# KiCad board ovc5.kicad_pcb
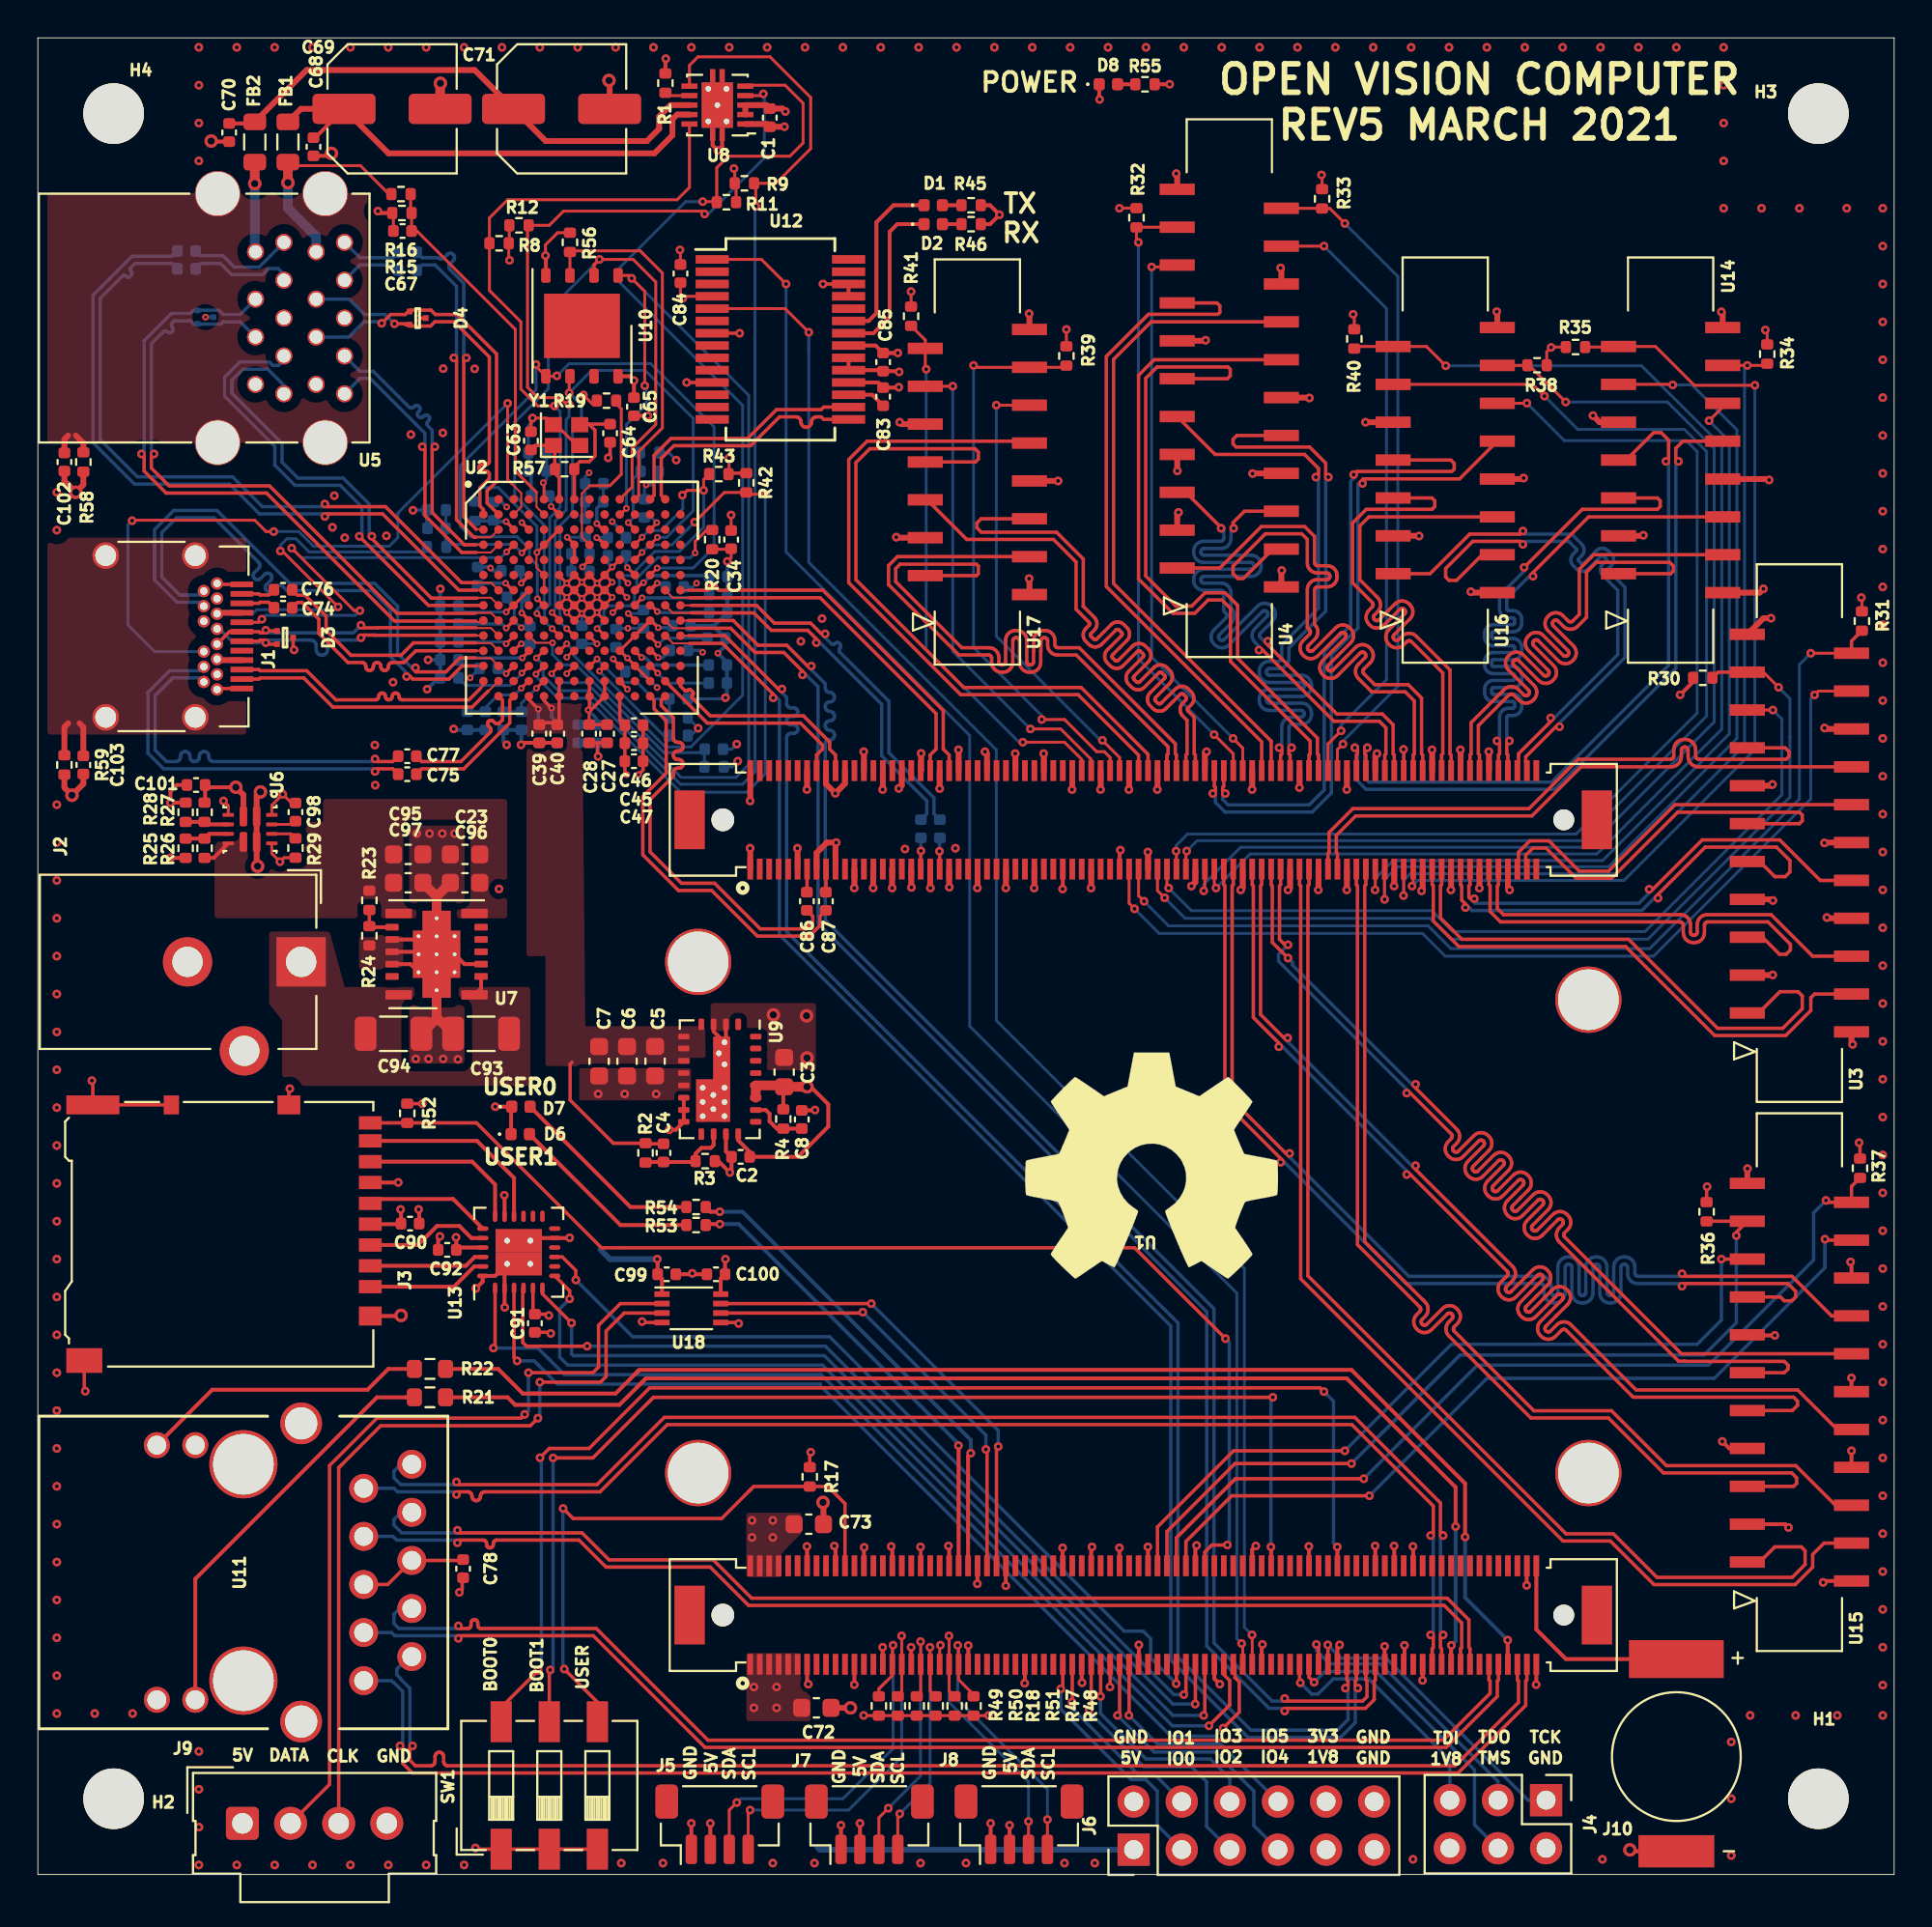
[diagram p0: board, top side]
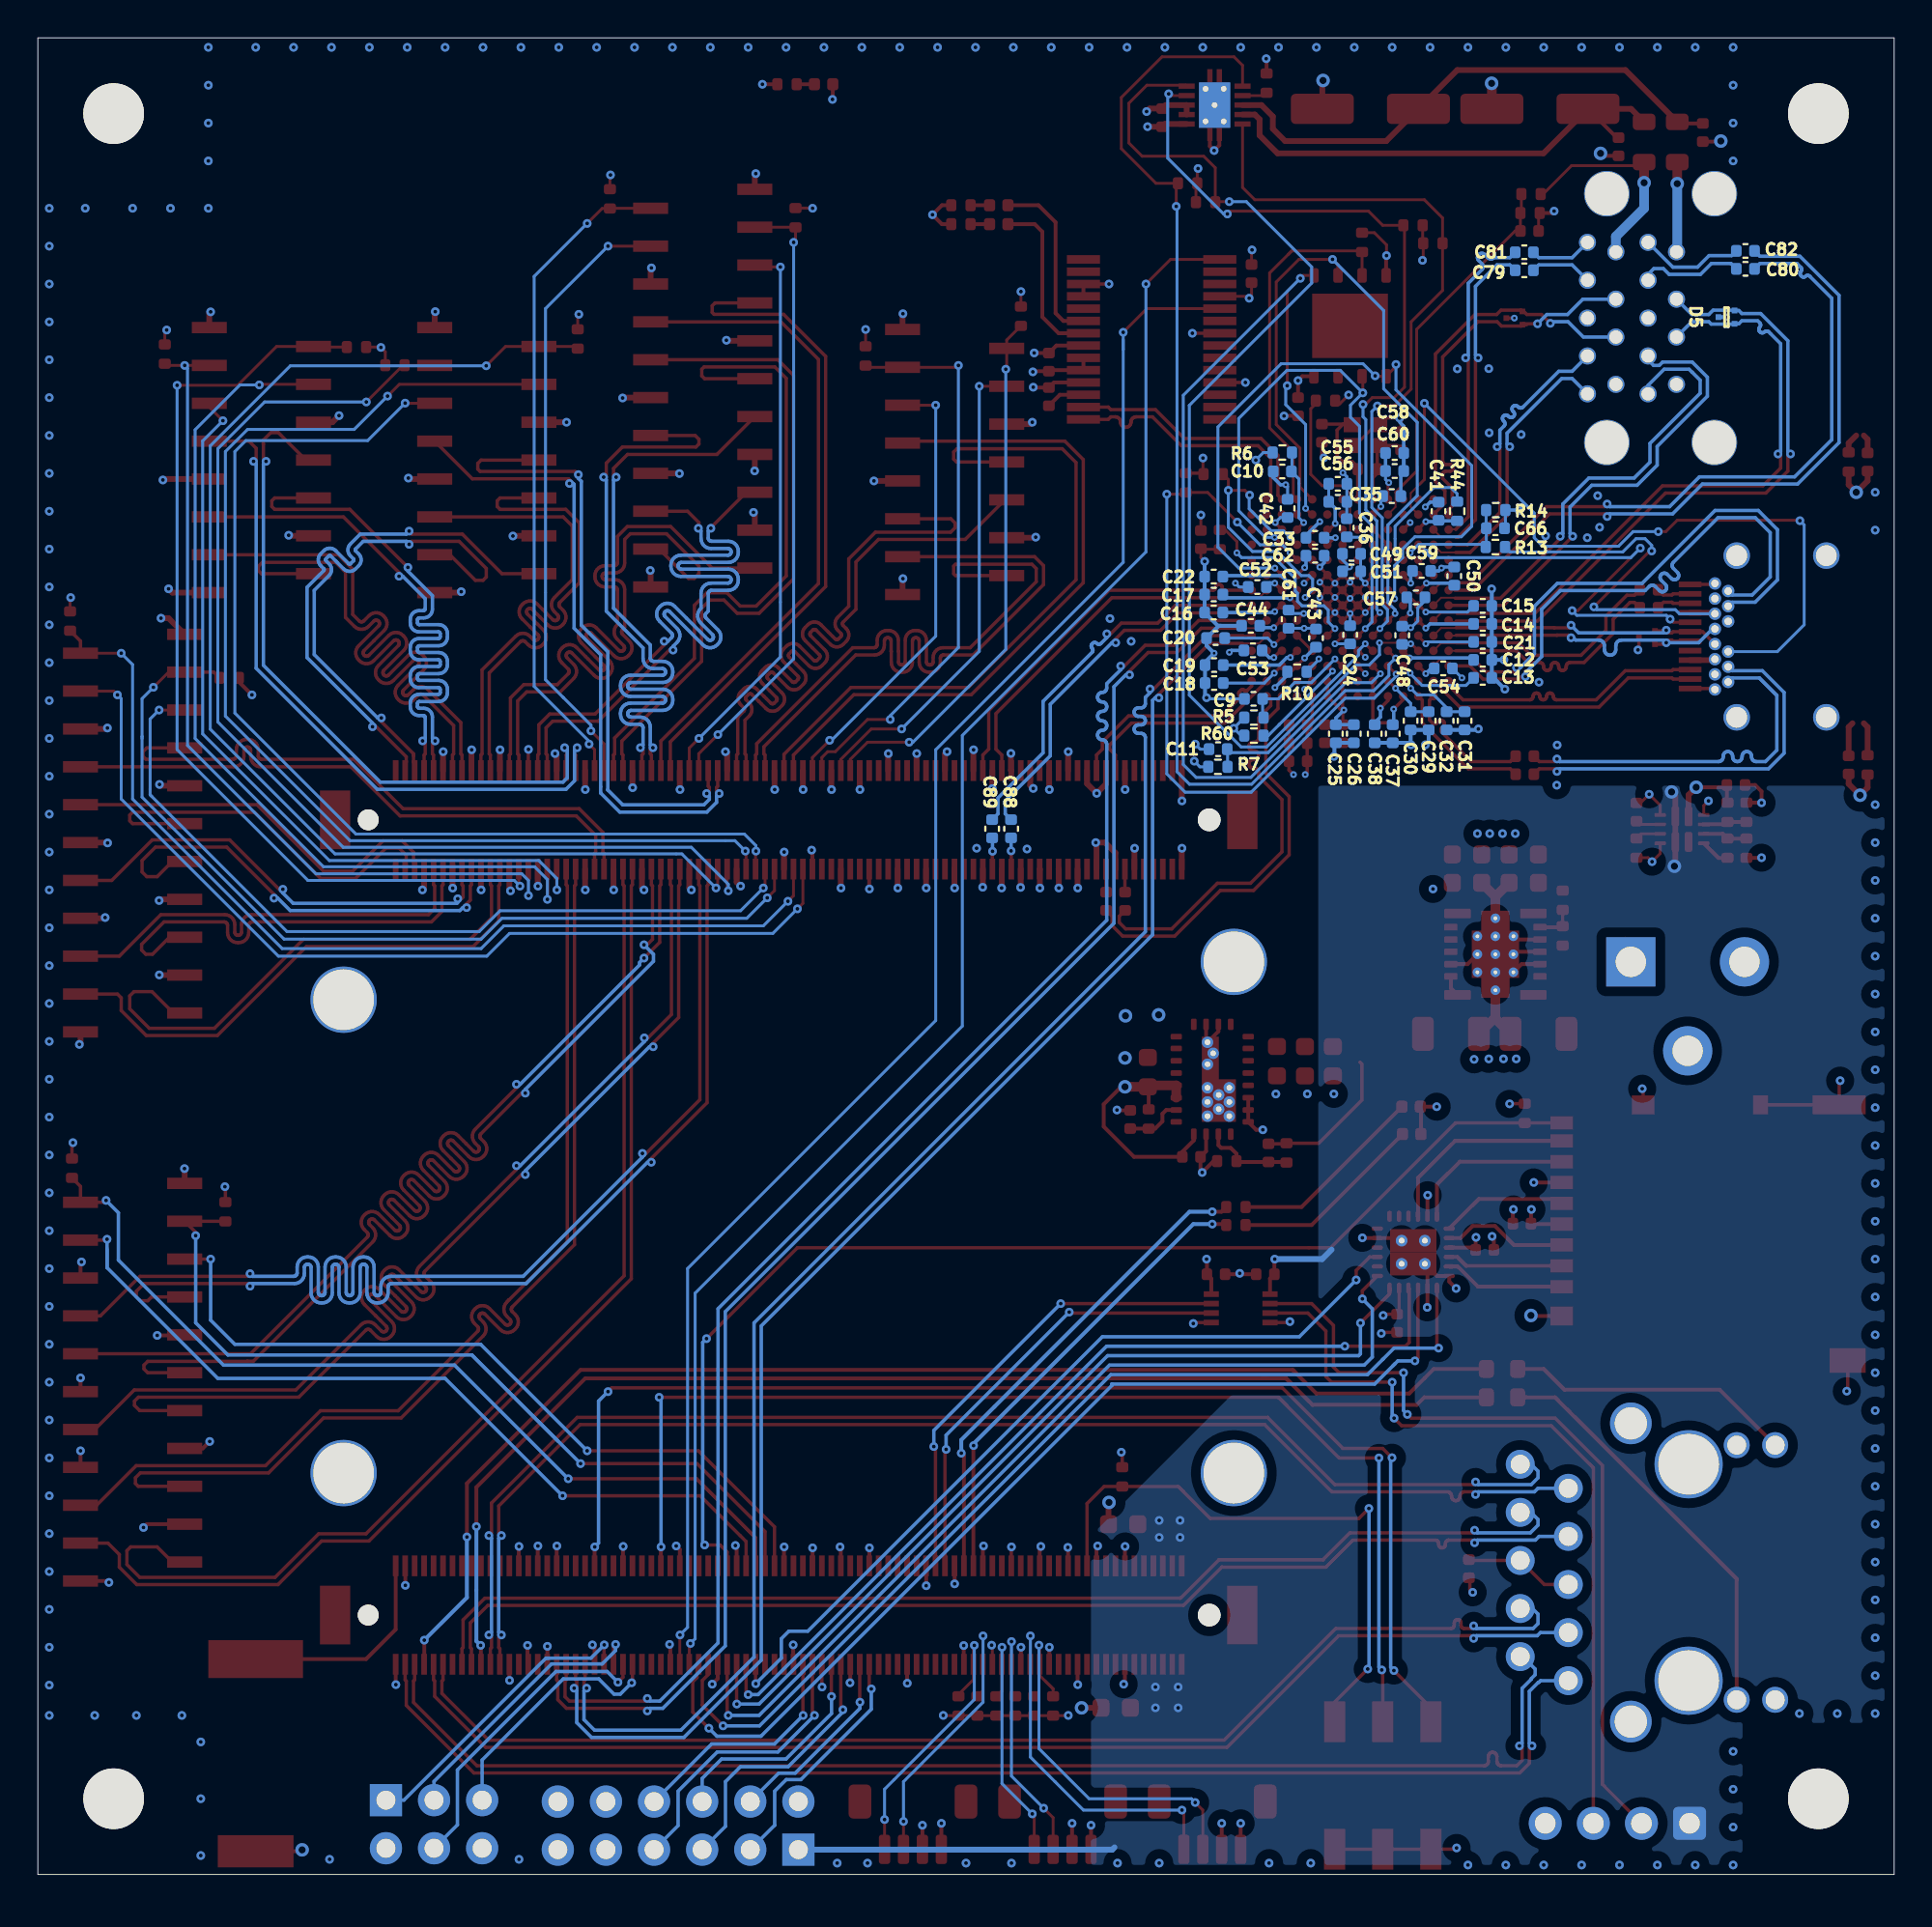
[diagram p1: board, bottom side, seen from below]

Outline 98 x 97 mm; copper layers: Top, In1.Cu, In2.Cu, In3.Cu, In4.Cu, Bottom. Coordinates in mm from the lower left corner of the outline.
Outline path: 0,97 0,0 98,0 98,97 0,97
Stack: Top 0.035mm / dielectric 1.51mm FR4 er 4.5 / In1.Cu 0.035mm / dielectric 1.51mm FR4 er 4.5 / In2.Cu 0.035mm / dielectric 1.51mm FR4 er 4.5 / In3.Cu 0.035mm / dielectric 1.51mm FR4 er 4.5 / In4.Cu 0.035mm / dielectric 1.51mm FR4 er 4.5 / Bottom 0.035mm

## Placement (name value [footprint] x y rotation side)
C1  100n  [C_0402_1005Metric]  38.64 92.78 270 top
C2  1u  [C_0402_1005Metric]  37.1 37.9 180 top
C3  22u  [C_0603_1608Metric]  39.4 42.38 90 top
C4  10p  [C_0402_1005Metric]  33.03 38.11 270 top
C5  22u  [C_0603_1608Metric]  32.58 42.95 270 top
C6  22u  [C_0603_1608Metric]  31.11 42.95 270 top
C7  22u  [C_0603_1608Metric]  29.63 42.95 270 top
C8  100n  [C_0402_1005Metric]  40.33 39.88 90 top
C9  1u  [C_0402_1005Metric]  33.82 62.09 0 bottom
C10  100n  [C_0402_1005Metric]  32.3 74.1 0 bottom
C11  100n  [C_0402_1005Metric]  35.69 59.43 0 bottom
C12  100n  [C_0402_1005Metric]  21.72 64.15 180 bottom
C13  100n  [C_0402_1005Metric]  21.72 63.2 180 bottom
C14  100n  [C_0402_1005Metric]  21.72 66.05 180 bottom
C15  100n  [C_0402_1005Metric]  21.72 67 180 bottom
C16  100n  [C_0402_1005Metric]  35.92 66.65 0 bottom
C17  100n  [C_0402_1005Metric]  35.92 67.6 0 bottom
C18  100n  [C_0402_1005Metric]  35.9 62.92 0 bottom
C19  100n  [C_0402_1005Metric]  35.9 63.88 0 bottom
C20  100n  [C_0402_1005Metric]  35.82 65.3 0 bottom
C21  100n  [C_0402_1005Metric]  21.72 65.1 180 bottom
C22  100n  [C_0402_1005Metric]  35.92 68.55 0 bottom
C23  22u  [C_0603_1608Metric]  22.55 53.88 180 top
C24  100n  [C_0402_1005Metric]  28.72 65.47 90 bottom
C25  10u  [C_0402_1005Metric]  29.48 60.25 270 bottom
C26  10n  [C_0402_1005Metric]  28.52 60.25 270 bottom
C27  10n  [C_0402_1005Metric]  30.05 60.25 270 top
C28  10n  [C_0402_1005Metric]  29.1 60.25 270 top
C29  4u7  [C_0402_1005Metric]  24.58 60.93 270 bottom
C30  100n  [C_0402_1005Metric]  25.52 60.93 270 bottom
C31  4u7  [C_0402_1005Metric]  22.67 60.93 270 bottom
C32  100n  [C_0402_1005Metric]  23.62 60.93 270 bottom
C33  1u  [C_0402_1005Metric]  30.57 70.6 0 bottom
C34  10u  [C_0402_1005Metric]  36.6 70.5 270 top
C35  1u  [C_0402_1005Metric]  26.52 72.8 180 bottom
C36  100n  [C_0402_1005Metric]  28.9 71.12 90 bottom
C37  100n  [C_0402_1005Metric]  26.47 60.25 270 bottom
C38  100n  [C_0402_1005Metric]  27.42 60.25 270 bottom
C39  100n  [C_0402_1005Metric]  26.47 60.25 270 top
C40  100n  [C_0402_1005Metric]  27.42 60.25 270 top
C41  100n  [C_0402_1005Metric]  24.05 72 90 bottom
C42  100n  [C_0402_1005Metric]  32.02 72.15 90 bottom
C43  100n  [C_0402_1005Metric]  30.52 65.3 90 bottom
C44  100n  [C_0402_1005Metric]  33.97 65.95 0 bottom
C45  100n  [C_0402_1005Metric]  31.47 59.75 0 top
C46  10n  [C_0402_1005Metric]  31.47 60.7 0 top
C47  10u  [C_0402_1005Metric]  31.47 58.8 0 top
C48  100n  [C_0402_1005Metric]  25.97 65.45 90 bottom
C49  100n  [C_0402_1005Metric]  28.65 69.75 180 bottom
C50  100n  [C_0402_1005Metric]  23.22 68.57 90 bottom
C51  10n  [C_0402_1005Metric]  28.64 68.82 180 bottom
C52  100n  [C_0402_1005Metric]  33.62 68 0 bottom
C53  100n  [C_0402_1005Metric]  33.85 64.65 0 bottom
C54  100n  [C_0402_1005Metric]  23.8 63.7 180 bottom
C55  1u  [C_0402_1005Metric]  29.37 73.45 180 bottom
C56  100n  [C_0402_1005Metric]  29.37 72.5 180 bottom
C57  100n  [C_0402_1005Metric]  25.25 67.45 180 bottom
C58  1u  [C_0402_1005Metric]  26.37 75.07 180 bottom
C59  100n  [C_0402_1005Metric]  24.95 68.85 180 bottom
C60  100n  [C_0402_1005Metric]  26.37 74.12 180 bottom
C61  100n  [C_0402_1005Metric]  31.97 66.3 270 bottom
C62  4u7  [C_0402_1005Metric]  30.57 69.65 180 bottom
C63  10p  [C_0402_1005Metric]  26.03 75.72 270 top
C64  10p  [C_0402_1005Metric]  30.21 76.12 270 top
C65  100n  [C_0402_1005Metric]  31.47 77.52 270 top
C66  100n  [C_0402_1005Metric]  21.05 71.1 180 bottom
C67  100n  [C_0402_1005Metric]  19.25 86.8 180 top
C68  100n  [C_0402_1005Metric]  14.55 91.25 270 top
C69  150u  [C_Elec_6.3x7.7]  18.7 93.25 0 top
C70  100n  [C_0402_1005Metric]  10.1 92 270 top
C71  150u  [C_Elec_6.3x7.7]  27.65 93.25 0 top
C72  22u  [C_0603_1608Metric]  41.1 8.8 0 top
C73  22u  [C_0603_1608Metric]  40.7 18.5 0 top
C74  100n  [C_0402_1005Metric]  12.95 66.9 0 top
C75  100n  [C_0402_1005Metric]  19.5 58.11 0 top
C76  100n  [C_0402_1005Metric]  12.95 67.85 0 top
C77  100n  [C_0402_1005Metric]  19.5 59.06 0 top
C78  100n  [C_0402_1005Metric]  22.45 16.15 270 top
C79  100n  [C_0402_1005Metric]  19.52 84.72 0 bottom
C80  100n  [C_0402_1005Metric]  7.85 84.8 180 bottom
C81  100n  [C_0402_1005Metric]  19.52 85.67 0 bottom
C82  100n  [C_0402_1005Metric]  7.85 85.75 180 bottom
C83  100n  [C_0402_1005Metric]  44.62 78.05 270 top
C84  100n  [C_0402_1005Metric]  33.92 84.55 270 top
C85  100n  [C_0402_1005Metric]  44.62 79.88 90 top
C86  100n  [C_0402_1005Metric]  40.6 51.4 90 top
C87  100n  [C_0402_1005Metric]  41.6 51.4 90 top
C88  100n  [C_0402_1005Metric]  46.62 55.23 270 bottom
C89  100n  [C_0402_1005Metric]  47.62 55.23 270 bottom
C90  1u  [C_0402_1005Metric]  19.65 34.38 180 top
C91  100n  [C_0402_1005Metric]  26.24 29.11 90 top
C92  100n  [C_0402_1005Metric]  21.61 32.99 180 top
C93  10u  [C_1206_3216Metric]  23.4 44.4 180 top
C94  10u  [C_1206_3216Metric]  18.77 44.4 0 top
C95  22u  [C_0603_1608Metric]  19.55 53.88 0 top
C96  22u  [C_0603_1608Metric]  22.55 52.38 180 top
C97  22u  [C_0603_1608Metric]  19.55 52.38 0 top
C98  100n  [C_0402_1005Metric]  13.6 56.11 90 top
C99  100n  [C_0402_1005Metric]  33.2 31.7 180 top
C100  100n  [C_0402_1005Metric]  35.8 31.7 180 top
C101  100n  [C_0402_1005Metric]  8.35 57.54 180 top
C102  2n2  [C_0402_1005Metric]  1.4 74.6 90 top
C103  2n2  [C_0402_1005Metric]  2.4 58.6 90 top
D1  LED_Small  [LED_0402_1005Metric]  47.27 88.16 0 top
D2  LED_Small  [LED_0402_1005Metric]  47.27 87.16 0 top
D3  D_TVS_Dual_AAC  [TPD2EUSB30x]  13.05 65.33 270 top
D4  D_TVS_Dual_AAC  [TPD2EUSB30x]  20.05 82.2 270 top
D5  D_TVS_Dual_AAC  [TPD2EUSB30x]  8.85 82.25 90 bottom
D6  LED_Small  [LED_0402_1005Metric]  25.47 39.1 0 top
D7  LED_Small  [LED_0402_1005Metric]  25.5 40.55 0 top
D8  LED_Small  [LED_0402_1005Metric]  56.52 94.55 0 top
FB1  MH2029-100Y  [L_0805_2012Metric]  13.2 91.5 270 top
FB2  MH2029-100Y  [L_0805_2012Metric]  11.45 91.5 270 top
H1  MountingHole  [MountingHole_3.2mm_M3]  94 4 0 top
H2  MountingHole  [MountingHole_3.2mm_M3]  4 4 0 top
H3  MountingHole  [MountingHole_3.2mm_M3]  94 93 0 top
H4  MountingHole  [MountingHole_3.2mm_M3]  4 93 0 top
J1  USB_C_Receptacle  [USB_C_Receptacle_Wurth_632723300011]  5.75 65.38 270 top
J2  AUX_PWR  [BarrelJack_CUI_PJ-102AH_Horizontal]  13.9 48.2 270 top
J3  Micro_SD_Card_Det_Hirose_DM3AT  [microSD_HC_Hirose_DM3AT-SF-PEJM5]  9.83 33.82 270 top
J4  JTAG  [PinHeader_2x03_P2.54mm_Vertical]  79.62 3.92 270 top
J5  Conn_01x04  [JST_SH_BM04B-SRSS-TB_1x04-1MP_P1.00mm_Vertical]  36 2.65 0 top
J6  Conn_02x06_Odd_Even  [PinHeader_2x06_P2.54mm_Vertical]  57.85 1.31 90 top
J7  Conn_01x04  [JST_SH_BM04B-SRSS-TB_1x04-1MP_P1.00mm_Vertical]  43.9 2.65 0 top
J8  Conn_01x04  [JST_SH_BM04B-SRSS-TB_1x04-1MP_P1.00mm_Vertical]  51.8 2.65 0 top
J9  Conn_01x04  [Molex_SL_171971-0004_1x04_P2.54mm_Vertical]  10.8 2.7 0 top
J10  Conn_01x02  [ELNA_DSK-3R3H224U-HL]  86.5 6.22 0 top
LOGO1  Logo_Open_Hardware_Large  [OSHW-Symbol_13.4x12mm_SilkScreen]  58.78 37.41 0 top
R1  47k  [R_0402_1005Metric]  33.13 94.61 90 top
R2  348k  [R_0402_1005Metric]  32.08 38.11 270 top
R3  348k  [R_0402_1005Metric]  35.23 37.67 0 top
R4  47k  [R_0402_1005Metric]  39.36 39.9 270 top
R5  20k  [R_0402_1005Metric]  33.8 61.1 180 bottom
R6  10k  [R_0402_1005Metric]  32.3 75.1 180 bottom
R7  10k  [R_0402_1005Metric]  35.7 58.5 180 bottom
R8  100k  [R_0402_1005Metric]  24.35 86.15 180 top
R9  100k  [R_0402_1005Metric]  37.3 89.32 0 top
R10  20k  [R_0402_1005Metric]  31.52 63.52 0 bottom
R11  100k  [R_0402_1005Metric]  36.35 88.32 180 top
R12  100k  [R_0402_1005Metric]  25.4 87.1 0 top
R13  10k  [R_0402_1005Metric]  21.05 70.11 180 bottom
R14  1k  [R_0402_1005Metric]  21.03 72.06 0 bottom
R15  10k  [R_0402_1005Metric]  19.17 88.75 180 top
R16  1k  [R_0402_1005Metric]  19.22 87.75 0 top
R17  10k  [R_0402_1005Metric]  40.75 21 270 top
R18  2k4  [R_0402_1005Metric]  45.4 8.9 270 top
R19  5k1  [R_0402_1005Metric]  30.02 77.84 180 top
R20  5k1  [R_0402_1005Metric]  35.6 70.5 270 top
R21  110R  [R_0603_1608Metric]  20.7 25.2 0 top
R22  110R  [R_0603_1608Metric]  20.7 26.7 0 top
R23  10k  [R_0402_1005Metric]  17.5 51.45 270 top
R24  2k4  [R_0402_1005Metric]  17.5 49.58 270 top
R25  47k  [R_0402_1005Metric]  8.8 54.2 90 top
R26  10k  [R_0402_1005Metric]  7.8 54.2 270 top
R27  47k  [R_0402_1005Metric]  8.8 56.1 270 top
R28  10k  [R_0402_1005Metric]  7.8 56.1 90 top
R29  20k  [R_0402_1005Metric]  13.6 54.21 270 top
R30  2k4  [R_0402_1005Metric]  87.9 63.2 0 top
R31  2k4  [R_0402_1005Metric]  96.3 66.2 270 top
R32  2k4  [R_0402_1005Metric]  58 87.5 270 top
R33  2k4  [R_0402_1005Metric]  67.8 88.5 270 top
R34  2k4  [R_0402_1005Metric]  91.3 80.3 270 top
R35  2k4  [R_0402_1005Metric]  81.18 80.67 0 top
R36  2k4  [R_0402_1005Metric]  88.1 35 270 top
R37  2k4  [R_0402_1005Metric]  96.2 37.3 270 top
R38  2k4  [R_0402_1005Metric]  79.15 79.71 180 top
R39  2k4  [R_0402_1005Metric]  54.3 80.2 270 top
R40  2k4  [R_0402_1005Metric]  69.5 81.1 270 top
R41  2k4  [R_0402_1005Metric]  46.1 82.3 270 top
R42  2k4  [R_0402_1005Metric]  37.4 73.5 270 top
R43  2k4  [R_0402_1005Metric]  35.95 73.96 180 top
R44  10k  [R_0402_1005Metric]  23.07 72 270 bottom
R45  220R  [R_0402_1005Metric]  49.27 88.16 180 top
R46  220R  [R_0402_1005Metric]  49.27 87.16 180 top
R47  2k4  [R_0402_1005Metric]  47.4 8.9 270 top
R48  2k4  [R_0402_1005Metric]  49.4 8.9 270 top
R49  2k4  [R_0402_1005Metric]  44.4 8.9 90 top
R50  2k4  [R_0402_1005Metric]  46.4 8.9 90 top
R51  2k4  [R_0402_1005Metric]  48.4 8.9 90 top
R52  10k  [R_0402_1005Metric]  19.5 40.2 270 top
R53  220R  [R_0402_1005Metric]  34.75 34.3 180 top
R54  220R  [R_0402_1005Metric]  34.75 35.25 180 top
R55  220R  [R_0402_1005Metric]  58.45 94.55 180 top
R56  10k  [R_0402_1005Metric]  28.09 86.2 90 top
R57  1M  [R_0402_1005Metric]  27.81 74.22 180 top
R58  100k  [R_0402_1005Metric]  2.4 74.6 270 top
R59  100k  [R_0402_1005Metric]  1.4 58.6 270 top
R60  10k  [R_0402_1005Metric]  33.8 60.15 180 bottom
SW1  SW_DIP_x03  [SW_DIP_SPSTx03_Slide_6.7x9.18mm_W6.73mm_P2.54mm_LowProfile_JPin]  27 4.7 90 top
U1  Mercury_XU5_4CG-4EV-5EV  [Mercury_XU5]  58.36 34.7 180 top
U2  CYUSB43x7  [BGA-192_14x14_12.0x12.0mm]  28.72 67.43 0 top
U3  PICAM_Expandable  [AMPHENOL_SFW22S]  93 55 90 top
U4  PICAM_Expandable  [AMPHENOL_SFW22S]  62.9 78.5 90 top
U5  -  [USB3_A_Dual_Stacked]  10.2 82.2 0 top
U6  TPS2121  [Texas_VQFN-HR-12_2x2.5_Pitch0.5mm]  11.2 55.21 270 top
U7  TPSM53604RDA  [Texas_B3QFN-14-1EP_5x5.5mm_P0.65mm_ThermalVia]  21.05 48.6 180 top
U8  TPS2561  [VSON-10-1EP_3x3mm_P0.5mm_EP1.65x2.4mm_ThermalVias]  35.88 93.45 180 top
U9  EN5339QI  [Converter_DCDC_Intel_QFN-24_4x6mm_P0.65mm_ThermalVias]  36 42 270 top
U10  S25FL064  [WSON-8-1EP_6x5mm_P1.27mm_EP3.4x4mm]  28.73 81.79 270 top
U11  -  [ARJ11C-MBSAS-A-BA-7MU2]  10.85 15.95 270 top
U12  FT232RL  [SSOP-28_5.3x10.2mm_P0.65mm]  39.2 81.08 0 top
U13  TXS02612  [TI_RTW0024B]  25.39 32.86 90 top
U14  PICAM  [AMPHENOL_SFW15S]  86.2 74.7 90 top
U15  PICAM_Expandable  [AMPHENOL_SFW22S]  93 26 90 top
U16  PICAM  [AMPHENOL_SFW15S]  74.3 74.7 90 top
U17  PICAM  [AMPHENOL_SFW15S]  49.6 74.6 90 top
U18  74LVC2T45DC  [VSSOP-8_2.3x2mm_P0.5mm]  34.5 29.9 0 top
Y1  25MHz  [Crystal_SMD_2016-4Pin_2.0x1.6mm]  27.91 76.02 0 top

## Library data of the parts
C1 C8 C10-C22 C24 C30 C32 C36-C45 C48-C50 C52-C54 C56 C57 C59-C61 C65-C68 C70 C74-C89 C91 C92 C98-C101 = -: D1N: Digikey; D1PN: 1276-1043-1-ND; MFN: Samsung; MPN: CL05A104KA5NNNC
C2 C9 C33 C35 C55 C58 C90 = -: D1N: Digikey; D1PN: 1276-1076-1-ND; MFN: Samsung; MPN: CL05A105KP5NNNC
C3 C5-C7 C23 C72 C73 C95-C97 = -: D1N: Digikey; D1PN: 1276-6504-1-ND; MFN: Samsung; MPN: CL10A226MPCNUBE
C4 C63 C64 = -: D1N: Digikey; D1PN: 587-1947-1-ND; MFN: Taiyo Yuden; MPN: UMK105CG100DV-F
C25 C34 C47 = -: D1N: Digikey; D1PN: 1276-6830-1-ND; MFN: Samsung; MPN: CL05A106MP8NUB8
C26-C28 C46 C51 = -: D1N: Digikey; D1PN: 1276-1051-1-ND; MFN: Samsung; MPN: CL05B103KO5NNNC
C29 C31 C62 = -: D1N: Digikey; D1PN: 587-3408-1-ND; MFN: Taiyo Yuden; MPN: LMK105BBJ475MVLF
C69 C71 = -: D1N: Digikey; D1PN: PCE4401CT-ND; MFN: TDK; MPN: EEE-FKC151XAP
C93 C94 = -: D1N: Digikey; D1PN: 1276-2876-1-ND; MFN: Samsung; MPN: CL31A106KBHNNNE
C102 C103 = -: D1N: Digikey; D1PN: 1276-1532-1-ND; MFN: Samsung; MPN: CL05B222JB5NNNC
D1 D8 = -: D1N: Digikey; D1PN: 475-3445-1-ND; MFN: OSRAM; MPN: LT VH9G-Q2OO-25-1
D2 D6 = -: D1N: Digikey; D1PN: 475-3112-1-ND; MFN: OSRAM; MPN: LB QH9G-N1OO-35-1
D3-D5 = -: D1N: Digikey; D1PN: 296-25509-1-ND; MFN: TI; MPN: TPD2EUSB30DRTR
D7 = -: D1N: Digikey; D1PN: 475-3429-1-ND; MFN: OSRAM; MPN: LR VH9F-P2R1-1-Z
FB1 FB2 = -: D1N: Digikey; D1PN: MH2029-100YCT-ND; MFN: Bourns
H1-H4 = -: D1N: DNP; D1PN: DNP; MFN: DNP; MPN: DNF
J1 = -: D1N: Digikey; D1PN: 732-9618-1-ND; MFN: Wurth; MPN: 632723300011
J2 = -: D1N: Digikey; D1PN: CP-102AH-ND; MFN: CUI Devices; MPN: PJ-102AH
J3 = -: D1N: RS-Online; D1PN: 828-1884; MFN: Hirose; MPN: DM3AT-SF-PEJM5
J4 = -: D1N: Digikey; D1PN: 1849-PR20203VBDN-ND; MFN: METZ Connect; MPN: PR20203VBDN
J5 J7 J8 = -: D1N: Digikey; D1PN: 455-1790-1-ND; MFN: JST; MPN: BM04B-SRSS-TB(LF)(SN)
J6 LOGO1 U1 = -: D1N: DNP; D1PN: DNP; MFN: DNP; MPN: DNP
J9 = -: D1N: Digikey; D1PN: WM22646-ND; MFN: Molex; MPN: 1719710004
J10 = -: D1N: Digikey; D1PN: 604-1020-1-ND; MFN: Elna; MPN: DSK-3R3H224U-HL
R1 R4 R25 R27 = -: D1N: Digikey; D1PN: 311-47.0KLRCT-ND; MFN: Yageo; MPN: RC0402FR-0747KL
R2 R3 = -: D1N: Digikey; D1PN: 2019-RK73H1ETTP3483FCT-ND; MFN: KOA Speer; MPN: RK73H1ETTP3483F
R5 R10 R29 = -: D1N: Digikey; D1PN: 311-20.0KLRCT-ND; MFN: Yageo; MPN: RC0402FR-0720KL
R6 R7 R13 R15 R17 R23 R26 R28 R44 R52 R56 R60 = -: D1N: Digikey; D1PN: YAG3436CT-ND; MFN: Yageo; MPN: AC0402FR-0710KL
R8 R9 R11 R12 R58 R59 = -: D1N: Digikey; D1PN: YAG3515CT-ND; MFN: Yageo; MPN: YAG3515CT-ND
R14 R16 = -: D1N: Digikey; D1PN: RR05P1.0KDCT-ND; MFN: Susumu; MPN: RR0510P-102-D
R18 R24 R30-R43 R47-R51 = -: D1N: Digikey; D1PN: P2.4KDECT-ND; MFN: Panasonic; MPN: ERA-2AED242X
R19 R20 = -: D1N: Digikey; D1PN: RR05P5.1KDCT-ND; MFN: Susumu; MPN: RR0510P-512-D
R21 R22 = -: D1N: Digikey; D1PN: P110JCT-ND; MFN: Panasonic; MPN: ERJ-2GEJ111X
R45 R46 R53-R55 = -: D1N: Digikey; D1PN: 541-10394-1-ND; MFN: Vishay Dale; MPN: RCS0402220RFKED
R57 = -: D1N: Digikey; D1PN: P1.00MLCT-ND; MFN: Panasonic; MPN: ERJ-2RKF1004X
SW1 = -: D1N: Digikey; D1PN: CT2193MST-ND; MFN: CTS; MPN: 219-3MST
U2 = -: D1N: Arrow; D1PN: CYUSB4347-BZXCES; MFN: Cypress; MPN: CYUSB4347-BZXCES
U3 U4 U15 = -: D1N: Digikey; D1PN: 609-1158-1-ND; MFN: Amphenol; MPN: SFW22S-2STE1LF
U5 = -: D1N: Digikey; D1PN: WM10420-ND; MFN: Molex; MPN: 0484060003
U6 = -: D1N: Digikey; D1PN: 296-53410-1-ND; MFN: TI; MPN: TPS2121RUXR
U7 = -: D1N: Digikey; D1PN: 296-TPSM53604RDARCT-ND; MFN: TI; MPN: TPSM53604RDAR
U8 = -: D1N: Digikey; D1PN: 296-37670-1-ND; MFN: TI; MPN: TPS2561DRCR
U9 = -: D1N: Digikey; D1PN: 544-2854-1-ND; MFN: Intel
U10 = -: D1N: Digikey; D1PN: 428-4640-1-ND; MFN: Cypress; MPN: S25FL064LABNFI013
U11 = -: D1N: Digikey; D1PN: ARJ11C-MBSAS-A-BA-7MU2-ND; MFN: Abracon
U12 = -: D1N: Digikey; D1PN: 768-1306-ND; MFN: FTDI; MPN: FT232RL-TUBE
U13 = -: D1N: Digikey; D1PN: 296-23869-1-ND; MFN: TI; MPN: TXS02612RTWR
U14 U16 U17 = -: D1N: Digikey; D1PN: 609-1148-1-ND; MFN: Amphenol; MPN: SFW15S-2STE1LF
U18 = -: D1N: Digikey; D1PN: 1727-4578-1-ND; MFN: Nexperia; MPN: 74LVC2T45DC,125
Y1 = -: D1N: Digikey; D1PN: 535-13851-1-ND; MFN: Abracon; MPN: ABM11W-25.0000MHZ-7-K1Z-T3
